# Altium PCB dcb_v2.PcbDoc (part 1 of 2)
Units mil, origin at the board's own origin, x right, y up, seen from the top; angles counter-clockwise.
Board outline 6889.76 x 2362.2 mil, 4 copper layers (Top Layer, Int1 (GND), Int2 (PWR), Bottom Layer), stack 53.912 mil thick; 162 components, 97 nets, 594 pads, 455 vias.
Unrouted connection lines stored in the file: 2.
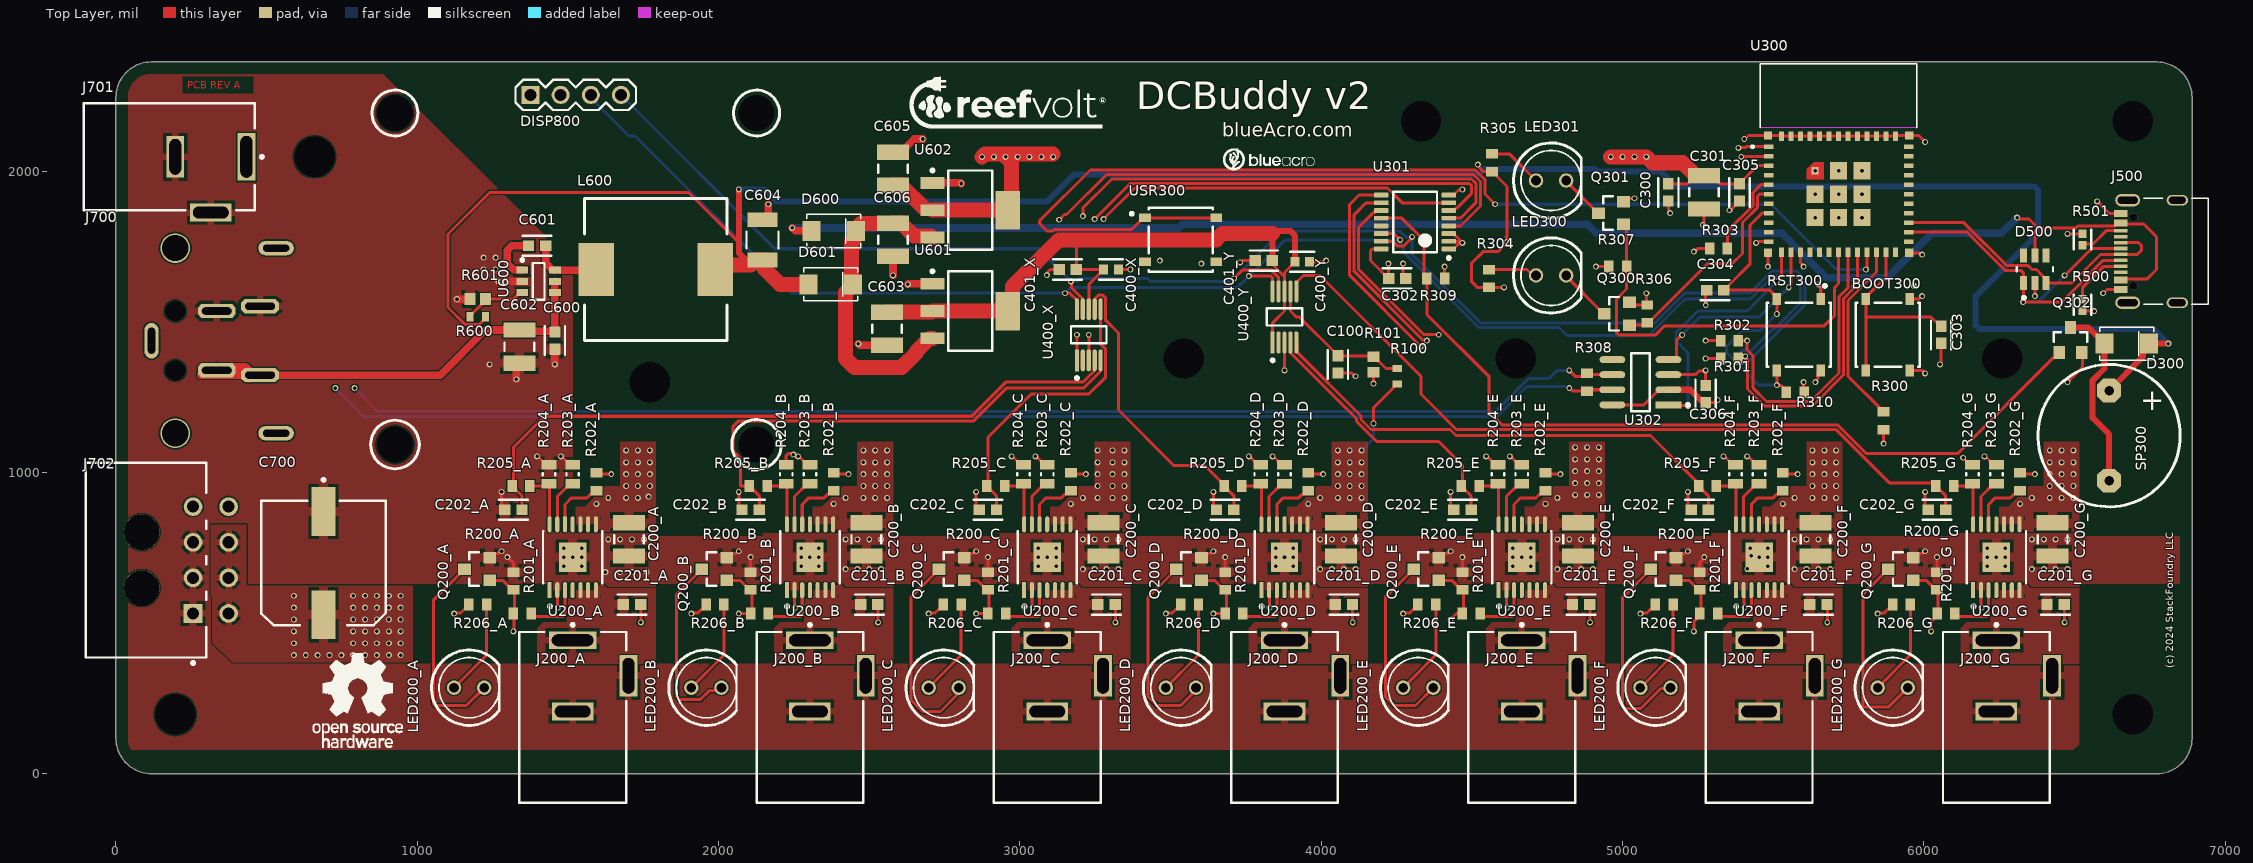
[diagram p0: Top Layer view]
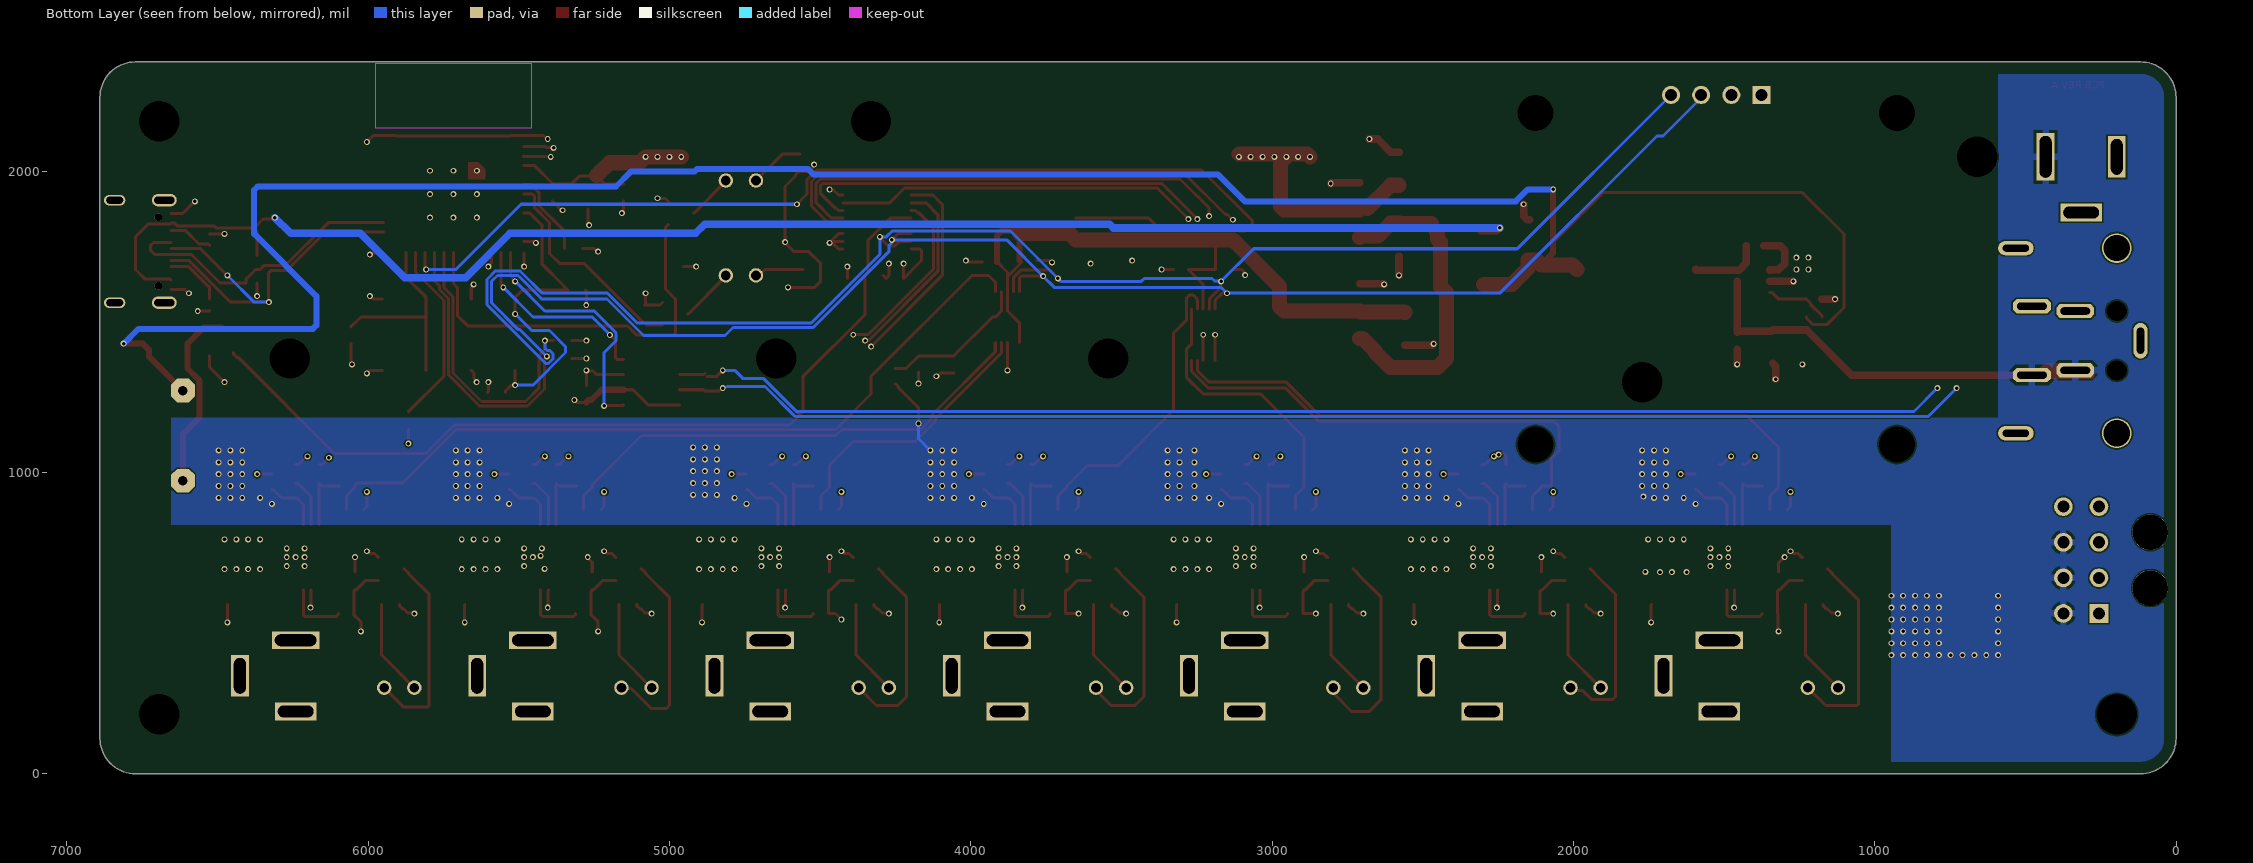
[diagram p1: Bottom Layer view, seen from below]
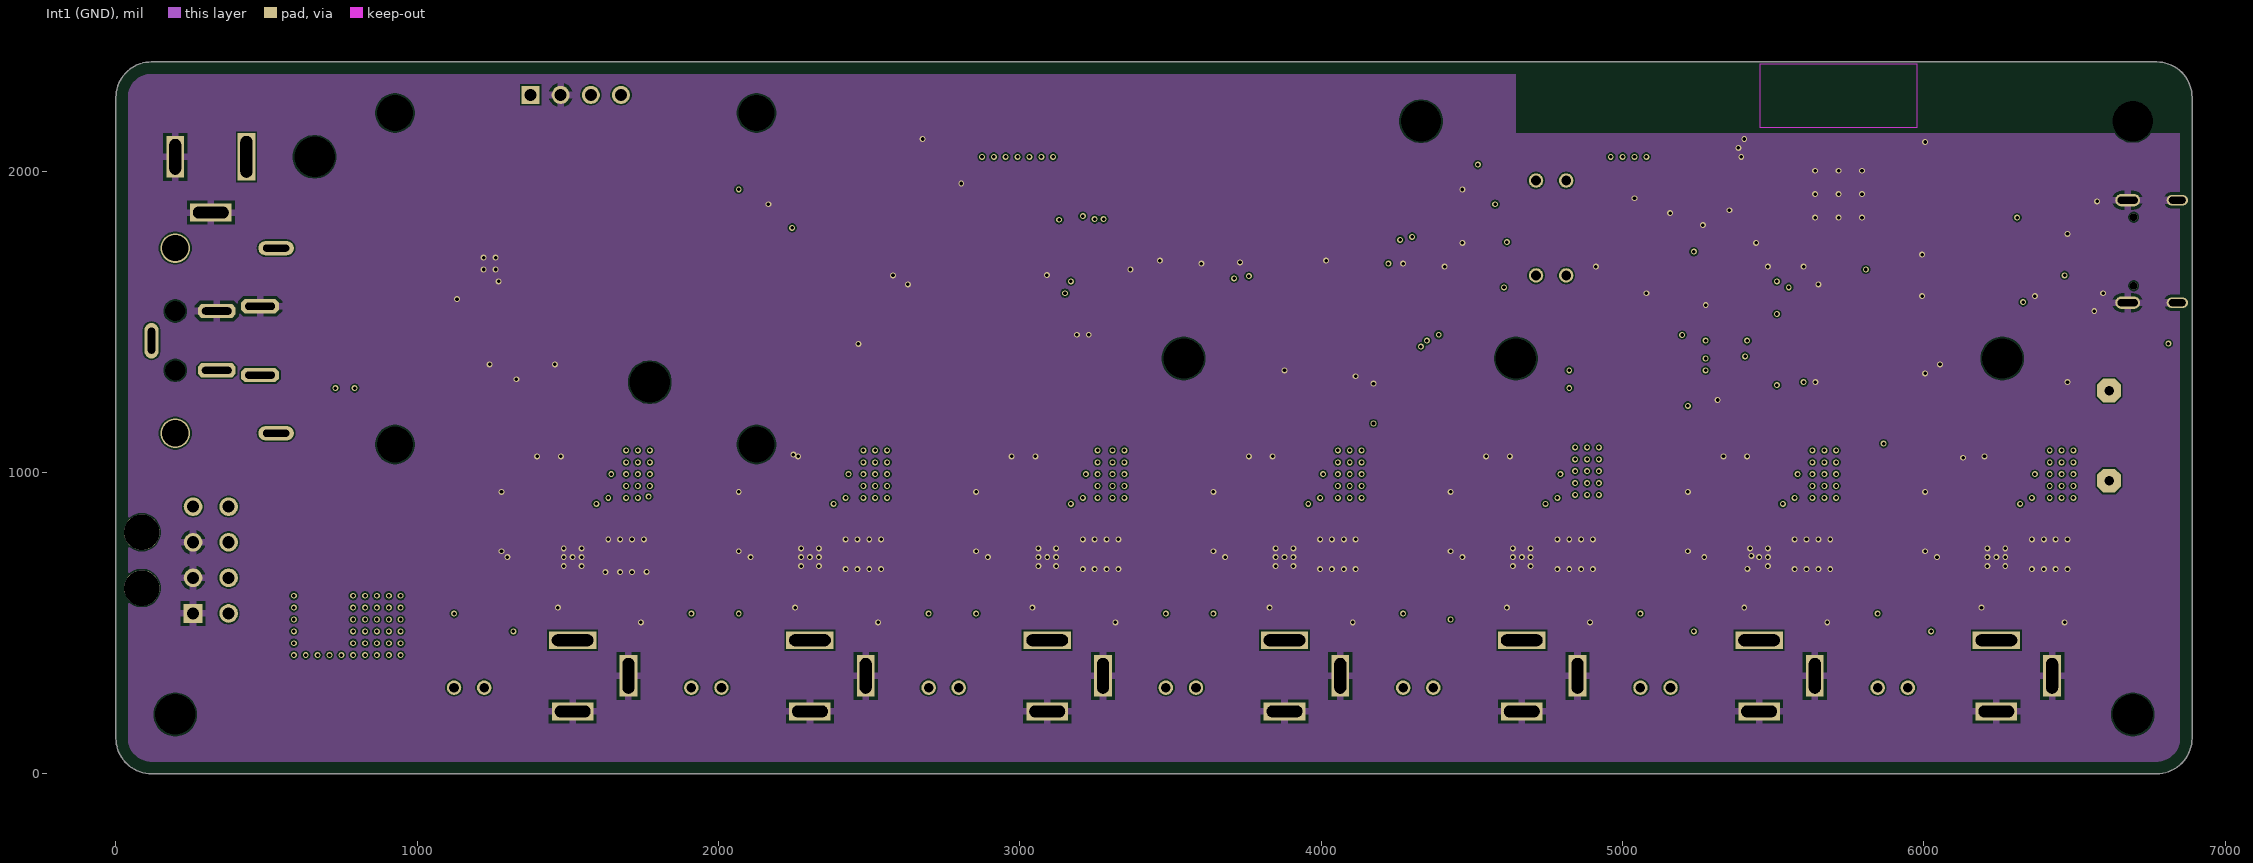
[diagram p2: Int1 (GND)]
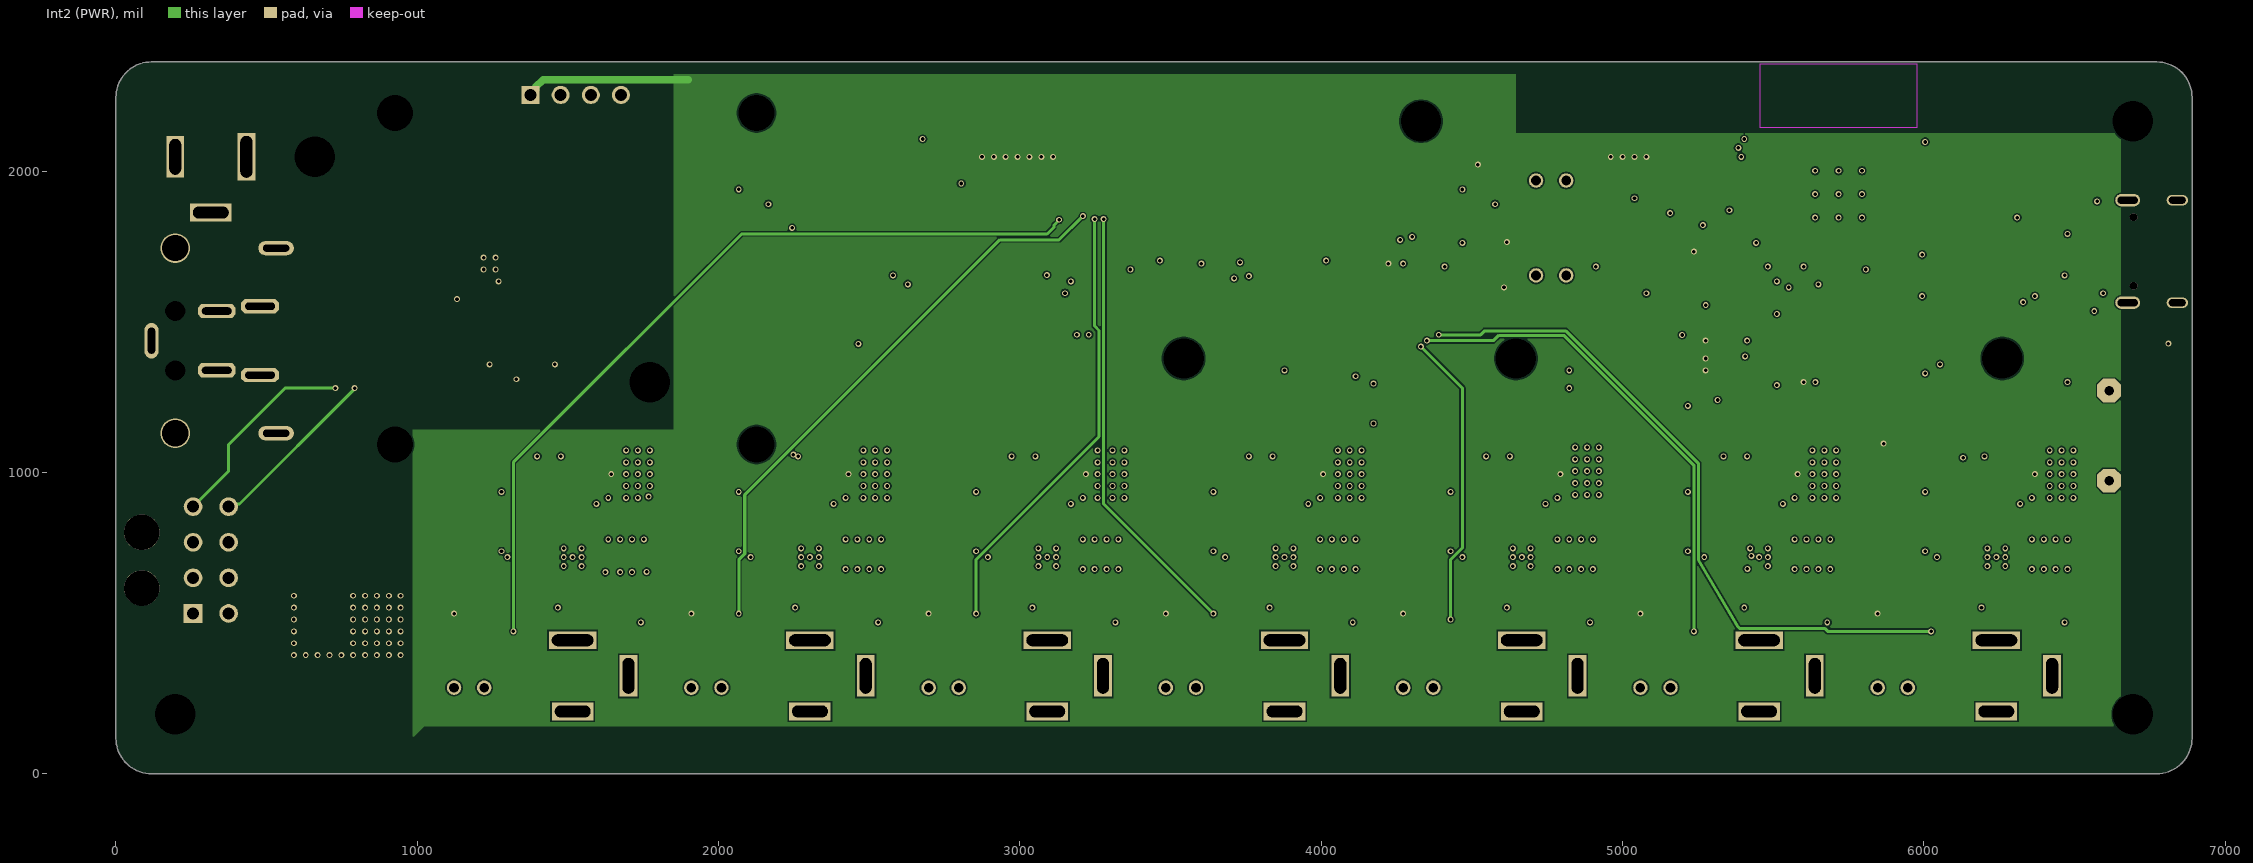
[diagram p3: Int2 (PWR)]
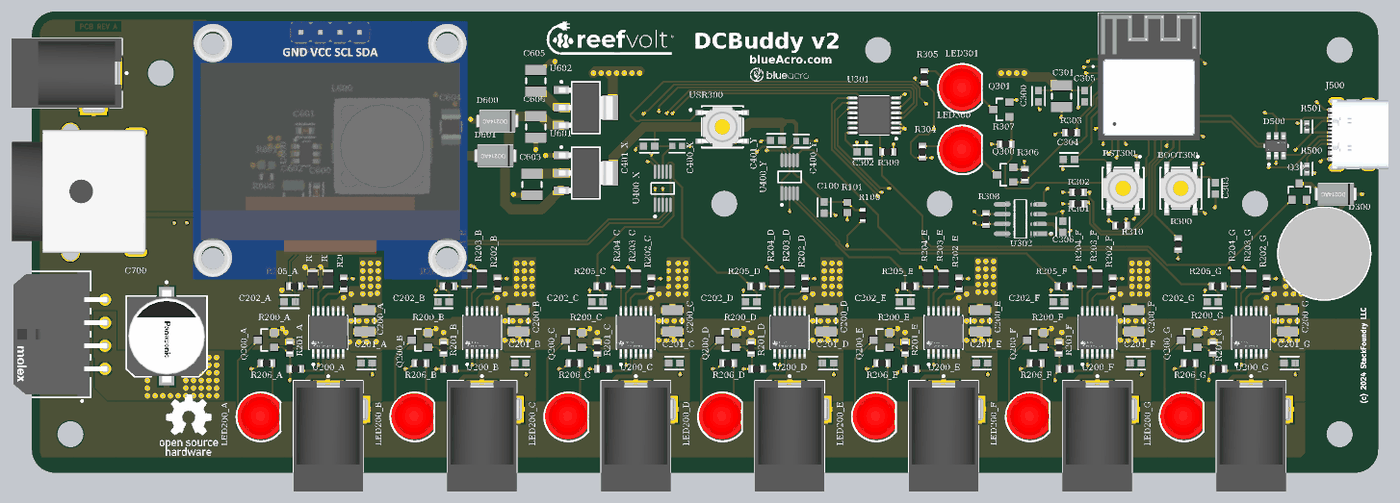
[diagram p5: 3D render of the assembled board from above, using the file's embedded part models]

## Layer stack, top to bottom
Top Solder: solder mask 1, SM-001, Dk 4
Top Layer: signal copper 1.378
Dielectric 1: prepreg 5.1, PP-017, Dk 4.3
Dielectric 2: prepreg 5.1, PP-017, Dk 4.3
Int1 (GND): signal copper 1.378
Dielectric 3: core 28, Core-039, Dk 4.8
Int2 (PWR): signal copper 1.378
Dielectric 4: prepreg 5.1, PP-017, Dk 4.3
Dielectric 5: prepreg 5.1, PP-017, Dk 4.3
Bottom Layer: signal copper 1.378
Bottom Solder: solder mask 1, SM-001, Dk 4

## Board outline
0,118.11 ccw(c118.11,118.11) 118.11,0 6771.65,0 ccw(c6771.65,118.11) 6889.76,118.11 6889.76,2244.09 ccw(c6771.65,2244.09) 6771.65,2362.2 118.11,2362.2 ccw(c118.11,2244.09) 0,2244.09

## Design rules (kind name [scope] priority, off if disabled: settings)
BoardOutlineClearance [All] p1: gap=40 ignorepadtopadclearanceinfootprint=FALSE
Clearance [All] p1: gap=5 ignorepadtopadclearanceinfootprint=FALSE
PolygonConnect [All] p1: thpad.connectstyle=Relief thpad.reliefconductorwidth=23.62 thpad.reliefentries=4 thpad.polygonreliefangle="90 Angle" thpad.airgapwidth=10 smdpad.connectstyle=Relief smdpad.reliefconductorwidth=31.5 smdpad.reliefentries=4 smdpad.polygonreliefangle="90 Angle" smdpad.airgapwidth=10 via.connectstyle=Direct via.reliefconductorwidth=10 via.reliefentries=4 via.polygonreliefangle="90 Angle" via.airgapwidth=10
RoomDefinition U_dcb_lite_logic [InComponentClass('U_dcb_lite_logic')] p1: confinementstyle=ConfineIn formatcopy=TRUE lockcomponents=FALSE outline 3346.46,866.14 6870.08,866.14 6870.08,2381.89 3346.46,2381.89
RoomDefinition Y [InComponentClass('Y')] p2: confinementstyle=ConfineIn formatcopy=TRUE lockcomponents=FALSE outline 3737.79,1655.12 3737.79,1750.4 3880.32,1750.4 3880.32,1746.25 3994.49,1746.25 3994.49,1651.45 3970.63,1651.45 3970.63,1352.04 3785.28,1352.04 3785.28,1655.12
RoomDefinition X [InComponentClass('X')] p3: confinementstyle=ConfineIn formatcopy=TRUE lockcomponents=FALSE outline 3087.28,1625.59 3087.28,1720.87 3229.81,1720.87 3229.81,1720.63 3359.57,1720.63 3359.57,1625.83 3321.02,1625.83 3321.02,1292.99 3135.67,1292.99 3135.67,1625.59
RoomDefinition G [InComponentClass('G')] p4: confinementstyle=ConfineIn formatcopy=TRUE lockcomponents=FALSE outline 5756.46,145.43 5756.46,425.43 5846.2,425.43 5846.2,750.13 5972.04,750.13 5972.04,923.62 5992.95,923.62 5992.95,1005.08 6118.94,1005.08 6118.94,1056.26 6282.64,1056.26 6282.64,1044.45 6369.25,1044.45 6369.25,879.09 6501.14,879.09 6501.14,608.66 6508.27,608.66 6508.27,513.38 6469.65,513.38 6469.65,-111.38 6048.07,-111.38 6048.07,145.43
RoomDefinition F [InComponentClass('F')] p5: confinementstyle=ConfineIn formatcopy=TRUE lockcomponents=FALSE outline 4969.06,145.43 4969.06,425.43 5058.8,425.43 5058.8,750.13 5184.64,750.13 5184.64,923.62 5205.55,923.62 5205.55,1005.08 5331.54,1005.08 5331.54,1056.26 5495.24,1056.26 5495.24,1044.45 5581.85,1044.45 5581.85,879.09 5713.74,879.09 5713.74,608.66 5720.87,608.66 5720.87,513.38 5682.24,513.38 5682.24,-111.38 5260.67,-111.38 5260.67,145.43
RoomDefinition E [InComponentClass('E')] p6: confinementstyle=ConfineIn formatcopy=TRUE lockcomponents=FALSE outline 4181.65,145.43 4181.65,425.43 4271.39,425.43 4271.39,750.13 4397.24,750.13 4397.24,923.62 4418.15,923.62 4418.15,1005.08 4544.13,1005.08 4544.13,1056.26 4707.83,1056.26 4707.83,1044.45 4794.45,1044.45 4794.45,879.09 4926.34,879.09 4926.34,608.66 4933.47,608.66 4933.47,513.38 4894.84,513.38 4894.84,-111.38 4473.27,-111.38 4473.27,145.43
RoomDefinition D [InComponentClass('D')] p7: confinementstyle=ConfineIn formatcopy=TRUE lockcomponents=FALSE outline 3394.25,145.43 3394.25,425.43 3483.99,425.43 3483.99,750.13 3609.84,750.13 3609.84,923.62 3630.75,923.62 3630.75,1005.08 3756.73,1005.08 3756.73,1056.26 3920.43,1056.26 3920.43,1044.45 4007.05,1044.45 4007.05,879.09 4138.94,879.09 4138.94,608.66 4146.07,608.66 4146.07,513.38 4107.44,513.38 4107.44,-111.38 3685.87,-111.38 3685.87,145.43
RoomDefinition C [InComponentClass('C')] p8: confinementstyle=ConfineIn formatcopy=TRUE lockcomponents=FALSE outline 2606.85,145.43 2606.85,425.43 2696.59,425.43 2696.59,750.13 2822.44,750.13 2822.44,923.62 2843.35,923.62 2843.35,1005.08 2969.33,1005.08 2969.33,1056.26 3133.03,1056.26 3133.03,1044.45 3219.65,1044.45 3219.65,879.09 3351.54,879.09 3351.54,608.66 3358.66,608.66 3358.66,513.38 3320.04,513.38 3320.04,-111.38 2898.46,-111.38 2898.46,145.43
RoomDefinition B [InComponentClass('B')] p9: confinementstyle=ConfineIn formatcopy=TRUE lockcomponents=FALSE outline 1819.45,145.43 1819.45,425.43 1909.19,425.43 1909.19,750.13 2035.04,750.13 2035.04,923.62 2055.94,923.62 2055.94,1005.08 2181.93,1005.08 2181.93,1056.26 2345.63,1056.26 2345.63,1044.45 2432.24,1044.45 2432.24,879.09 2564.13,879.09 2564.13,608.66 2571.26,608.66 2571.26,513.38 2532.64,513.38 2532.64,-111.38 2111.06,-111.38 2111.06,145.43
RoomDefinition A [InComponentClass('A')] p10: confinementstyle=ConfineIn formatcopy=TRUE lockcomponents=FALSE outline 1032.05,145.43 1032.05,425.43 1121.79,425.43 1121.79,750.13 1247.64,750.13 1247.64,923.62 1268.54,923.62 1268.54,1005.08 1394.53,1005.08 1394.53,1056.26 1558.23,1056.26 1558.23,1044.45 1644.84,1044.45 1644.84,879.09 1776.73,879.09 1776.73,608.66 1783.86,608.66 1783.86,513.38 1745.24,513.38 1745.24,-111.38 1323.66,-111.38 1323.66,145.43
RoomDefinition U_dcb_single_input [InComponentClass('U_dcb_single_input')] p11: confinementstyle=ConfineIn formatcopy=TRUE lockcomponents=FALSE outline -121.22,1817.76 -121.22,2239.33 504.09,2239.33 504.09,1807.31 604.55,1807.31 604.55,995.24 913.54,995.24 913.54,428.98 422.8,428.98 422.8,347.48 -118.07,347.48 -118.07,1817.76
RoomDefinition U_dcb_i2c_ext [InComponentClass('U_dcb_i2c_ext')] p12: confinementstyle=ConfineIn formatcopy=TRUE lockcomponents=FALSE outline 814.21,979.69 814.21,2322.52 2237.76,2322.52 2237.76,979.69
RoomDefinition U_usb_input [InComponentClass('U_usb_input')] p13: confinementstyle=ConfineIn formatcopy=TRUE lockcomponents=FALSE outline 6290.2,1559.74 6290.2,1760.84 6482.67,1760.84 6482.67,1827.23 6610.28,1827.23 6610.28,1944.7 6963.74,1944.7 6963.74,1521.55 6568.51,1521.55 6568.51,1501.23 6482.67,1501.23 6482.67,1559.74
RoomDefinition U_dcdc_60v_12v [InComponentClass('U_dcdc_60v_12v')] p14: confinementstyle=ConfineIn formatcopy=TRUE lockcomponents=FALSE outline 1136.65,1534.29 1136.65,1615.31 1308.9,1615.31 1308.9,1724.57 1326.38,1724.57 1326.38,1799.61 1521.43,1799.61 1521.43,1929.29 2504.76,1929.29 2504.76,2109.41 2652.72,2109.41 2652.72,2032.64 3030.67,2032.64 3030.67,1372.87 1504.33,1372.87 1504.33,1365.75 1412.56,1365.75 1412.56,1315.79 1264.61,1315.79 1264.61,1483.11 1148.46,1483.11 1148.46,1534.29
RoutingVias [All] p1: holewidth=11.81 width=19.68 viastyle="Through Hole" minholewidth=7.87 minwidth=19.68 maxholewidth=39.37 maxwidth=78.74
SolderMaskExpansion [All] p1: expansion=4 istentingtop=FALSE
Width [All] p1: maxlimit=50 minlimit=6 preferedwidth=10
30 further rules are at their usual default settings.

## Classes and differential pairs
channel class dcb_single_channel: A B C D E F G
channel class dcb_lite_adc: X Y
component class U_usb_input: D500 J500 R500 R501
component class U_dcdc_60v_12v: C600 C601 C602 C603 C604 C605 C606 D600 D601 L600 R600 R601 U600 U601 U602
component class U_dcb_single_input: C700 J700 J701 J702
component class U_dcb_lite_logic: BOOT300 C300 C301 C302 C303 C304 C305 C306 D300 LED300 LED301 Q300 Q301 Q302 R300 R301 R302 R303 R304 R305 R306 R307 R308 R309 R310 RST300 SP300 U300 U301 U302 USR300
component class dcb_top: C100 R100 R101
component class G: C200_G C201_G C202_G J200_G LED200_G Q200_G R200_G R201_G R202_G R203_G R204_G R205_G R206_G U200_G
component class F: C200_F C201_F C202_F J200_F LED200_F Q200_F R200_F R201_F R202_F R203_F R204_F R205_F R206_F U200_F
component class E: C200_E C201_E C202_E J200_E LED200_E Q200_E R200_E R201_E R202_E R203_E R204_E R205_E R206_E U200_E
component class D: C200_D C201_D C202_D J200_D LED200_D Q200_D R200_D R201_D R202_D R203_D R204_D R205_D R206_D U200_D
component class C: C200_C C201_C C202_C J200_C LED200_C Q200_C R200_C R201_C R202_C R203_C R204_C R205_C R206_C U200_C
component class B: C200_B C201_B C202_B J200_B LED200_B Q200_B R200_B R201_B R202_B R203_B R204_B R205_B R206_B U200_B
component class A: C200_A C201_A C202_A J200_A LED200_A Q200_A R200_A R201_A R202_A R203_A R204_A R205_A R206_A U200_A
component class Y: C400_Y C401_Y U400_Y
component class X: C400_X C401_X U400_X

## Components (designator, comment, footprint, x,y, rotation, side; value= is the part's Value field where it differs from the comment)
BOOT300 "PTS526SK15SMTR2LFS" FP-PTS526SK15SMTR2LFS-MFG 5879.92,1456.69 r270 top
C100 "CAP 0.1uF 50V X7R 0603" FP-CL10-IPC_B 4055.12,1358.27 r270 top value=0.1uF
C200_A "CAP 4.7uF 50V X7R 1210" CAPC3225X20N 1702.76,777.56 r90 top value=4.7uF (schematic designator C200)
C200_B "CAP 4.7uF 50V X7R 1210" CAPC3225X20N 2490.16,777.56 r90 top value=4.7uF (schematic designator C200)
C200_C "CAP 4.7uF 50V X7R 1210" CAPC3225X20N 3277.56,777.56 r90 top value=4.7uF (schematic designator C200)
C200_D "CAP 4.7uF 50V X7R 1210" CAPC3225X20N 4064.96,777.56 r90 top value=4.7uF (schematic designator C200)
C200_E "CAP 4.7uF 50V X7R 1210" CAPC3225X20N 4852.36,777.56 r90 top value=4.7uF (schematic designator C200)
C200_F "CAP 4.7uF 50V X7R 1210" CAPC3225X20N 5639.76,777.56 r90 top value=4.7uF (schematic designator C200)
C200_G "CAP 4.7uF 50V X7R 1210" CAPC3225X20N 6427.17,777.56 r90 top value=4.7uF (schematic designator C200)
C201_A "CAP 0.1uF 50V X7R 0603" FP-CL10-IPC_B 1712.6,561.02 r0 top value=0.1uF (schematic designator C201)
C201_B "CAP 0.1uF 50V X7R 0603" FP-CL10-IPC_B 2500,561.02 r0 top value=0.1uF (schematic designator C201)
C201_C "CAP 0.1uF 50V X7R 0603" FP-CL10-IPC_B 3287.4,561.02 r0 top value=0.1uF (schematic designator C201)
C201_D "CAP 0.1uF 50V X7R 0603" FP-CL10-IPC_B 4074.8,561.02 r0 top value=0.1uF (schematic designator C201)
C201_E "CAP 0.1uF 50V X7R 0603" FP-CL10-IPC_B 4862.2,561.02 r0 top value=0.1uF (schematic designator C201)
C201_F "CAP 0.1uF 50V X7R 0603" FP-CL10-IPC_B 5649.61,561.02 r0 top value=0.1uF (schematic designator C201)
C201_G "CAP 0.1uF 50V X7R 0603" FP-CL10-IPC_B 6437.01,561.02 r0 top value=0.1uF (schematic designator C201)
C202_A "CAP 0.1uF 50V X7R 0603" FP-CL10-IPC_B 1318.9,875.98 r180 top value=0.1uF (schematic designator C202)
C202_B "CAP 0.1uF 50V X7R 0603" FP-CL10-IPC_B 2106.3,875.98 r180 top value=0.1uF (schematic designator C202)
C202_C "CAP 0.1uF 50V X7R 0603" FP-CL10-IPC_B 2893.7,875.98 r180 top value=0.1uF (schematic designator C202)
C202_D "CAP 0.1uF 50V X7R 0603" FP-CL10-IPC_B 3681.1,875.98 r180 top value=0.1uF (schematic designator C202)
C202_E "CAP 0.1uF 50V X7R 0603" FP-CL10-IPC_B 4468.5,875.98 r180 top value=0.1uF (schematic designator C202)
C202_F "CAP 0.1uF 50V X7R 0603" FP-CL10-IPC_B 5255.91,875.98 r180 top value=0.1uF (schematic designator C202)
C202_G "CAP 0.1uF 50V X7R 0603" FP-CL10-IPC_B 6043.31,875.98 r180 top value=0.1uF (schematic designator C202)
C300 "CAP 0.1uF 50V X7R 0603" FP-CL10-IPC_B 5151.57,1929.13 r270 top value=0.1uF
C301 "CAP 4.7uF 50V X7R 1210" CAPC3225X20N 5269.69,1929.13 r90 top value=4.7uF
C302 "CAP 1uF 10V X7R 0603" FP-CL10-IPC_B 4251.97,1643.7 r0 top
C303 "CAP 0.1uF 50V X7R 0603" FP-CL10-IPC_B 6057.09,1456.69 r270 top value=0.1uF
C304 "CAP 1uF 10V X7R 0603" FP-CL10-IPC_B 5307.34,1604.65 r180 top
C305 "CAP 0.1uF 50V X7R 0603" FP-CL10-IPC_B 5387.8,1929.13 r270 top value=0.1uF
C306 "CAP 0.1uF 50V X7R 0603" FP-CL10-IPC_B 5275.59,1259.84 r270 top value=0.1uF
C400_X "CAP 4.7uF 0603 6.3V X7R" FP-CL10-IPC_C 3302.09,1673.23 r0 top value=4.7uF (schematic designator C400)
C400_Y "CAP 4.7uF 0603 6.3V X7R" FP-CL10-IPC_C 3937.01,1698.85 r0 top value=4.7uF (schematic designator C400)
C401_X "CAP 0.1uF 50V X7R 0603" FP-CL10-IPC_B 3158.54,1673.23 r180 top value=0.1uF (schematic designator C401)
C401_Y "CAP 0.1uF 50V X7R 0603" FP-CL10-IPC_B 3809.06,1702.76 r180 top value=0.1uF (schematic designator C401)
C600 "CAP 0.1uF 50V X7R 0603" FP-CL10-IPC_B 1456.69,1437.01 r90 top value=0.1uF
C601 "CAP 0.1uF 50V X7R 0603" FP-CL10-IPC_B 1397.64,1751.97 r0 top value=0.1uF
C602 "CAP 4.7uF 50V X7R 1210" CAPC3225X20N 1338.58,1417.32 r90 top value=4.7uF
C603 "CAP 4.7uF 50V X7R 1210" CAPC3225X20N 2559.06,1476.38 r90 top value=4.7uF
C604 "CAP 22uF 25V 1210 X7R" FP-1210-L_3_2_0_3-W_2_5_0-MFG 2145.67,1771.65 r90 top value=22uF
C605 "CAP 4.7uF 50V X7R 1210" CAPC3225X20N 2578.74,2007.87 r270 top value=4.7uF
C606 "CAP 4.7uF 50V X7R 1210" CAPC3225X20N 2578.74,1771.65 r90 top value=4.7uF
C700 "CAP 56uF 63V Poly 10mm" FP-FKG-MFG 688.98,698.82 r270 top value=56uF
D300 "SS14" SMA 6673.23,1427.17 r180 top
D500 "USBLC6-4SC6" FP-SOT23-6L-MFG 6368.11,1674.07 r90 top value=4pF
D600 "SS14" SMA 2381.89,1801.18 r180 top
D601 "SS14" SMA 2372.05,1624.02 r180 top
DISP800 "OLED_1_3_CARRIERBOARD" OLED_1_3_CARRIERBOARD-Footprint-1 1375.98,2252.52 r0 top
J200_A "PJ-0XX" CUI-PJ-002A_V 1515.75,324.8 r270 top (schematic designator J200)
J200_B "PJ-0XX" CUI-PJ-002A_V 2303.15,324.8 r270 top (schematic designator J200)
J200_C "PJ-0XX" CUI-PJ-002A_V 3090.55,324.8 r270 top (schematic designator J200)
J200_D "PJ-0XX" CUI-PJ-002A_V 3877.95,324.8 r270 top (schematic designator J200)
J200_E "PJ-0XX" CUI-PJ-002A_V 4665.35,324.8 r270 top (schematic designator J200)
J200_F "PJ-0XX" CUI-PJ-002A_V 5452.76,324.8 r270 top (schematic designator J200)
J200_G "PJ-0XX" CUI-PJ-002A_V 6240.16,324.8 r270 top (schematic designator J200)
J500 "10155435-00011LF" AMPHENOL_10155435-00011LF 6840.55,1733.13 r90 top
J700 "DIN4PWR" PD40S 118.11,1437.01 r90 top
J701 "PJ-0XX" CUI-PJ-002A_V 314.96,2047.24 r180 top
J702 "43045-0802" FP-43045-0802-MFG 99.8,708.66 r270 top
L600 "SRR1260-680M" SRR1260-680M-Footprint-1 1791.34,1673.23 r0 top value=110MR
LED200_A "LED_INDICATOR" LED5MM 1222.05,285.43 r0 top (schematic designator LED200)
LED200_B "LED_INDICATOR" LED5MM 2009.45,285.43 r0 top (schematic designator LED200)
LED200_C "LED_INDICATOR" LED5MM 2796.85,285.43 r0 top (schematic designator LED200)